# KiCad board mse-50-idc-panel.kicad_pcb
title: Squishy - SCSI LVD/MSE/SE IDC 50 Connector Module; date: 2024-09-17; rev: 1; company: Shrine Maiden Heavy Industries; note: License: CERN-OHL-S; note: © 2024 Aki 'lethalbit' Van Ness, et. al.; note: No warranty expressed or implied; note: Squishy - SCSI Multitool
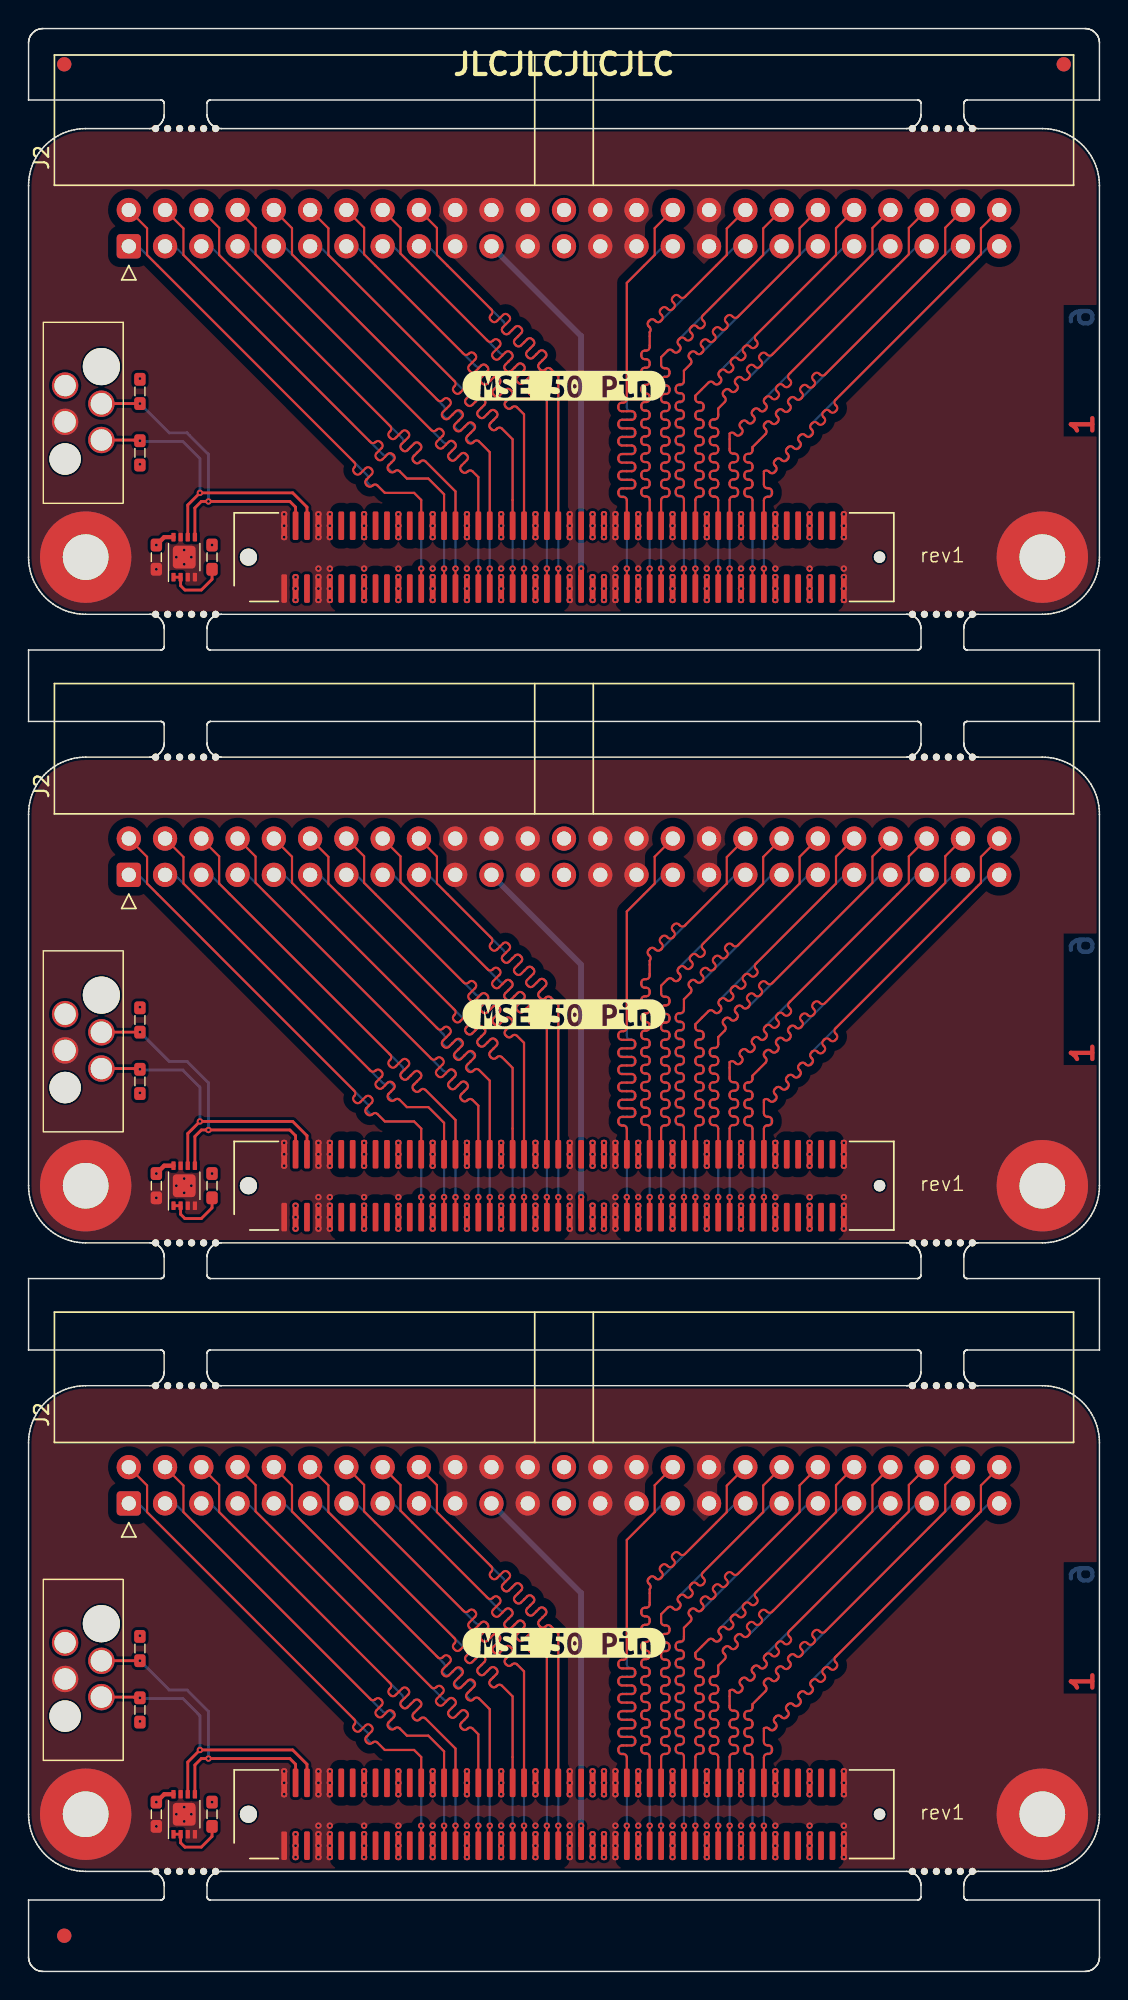
[diagram p0: board, top side]
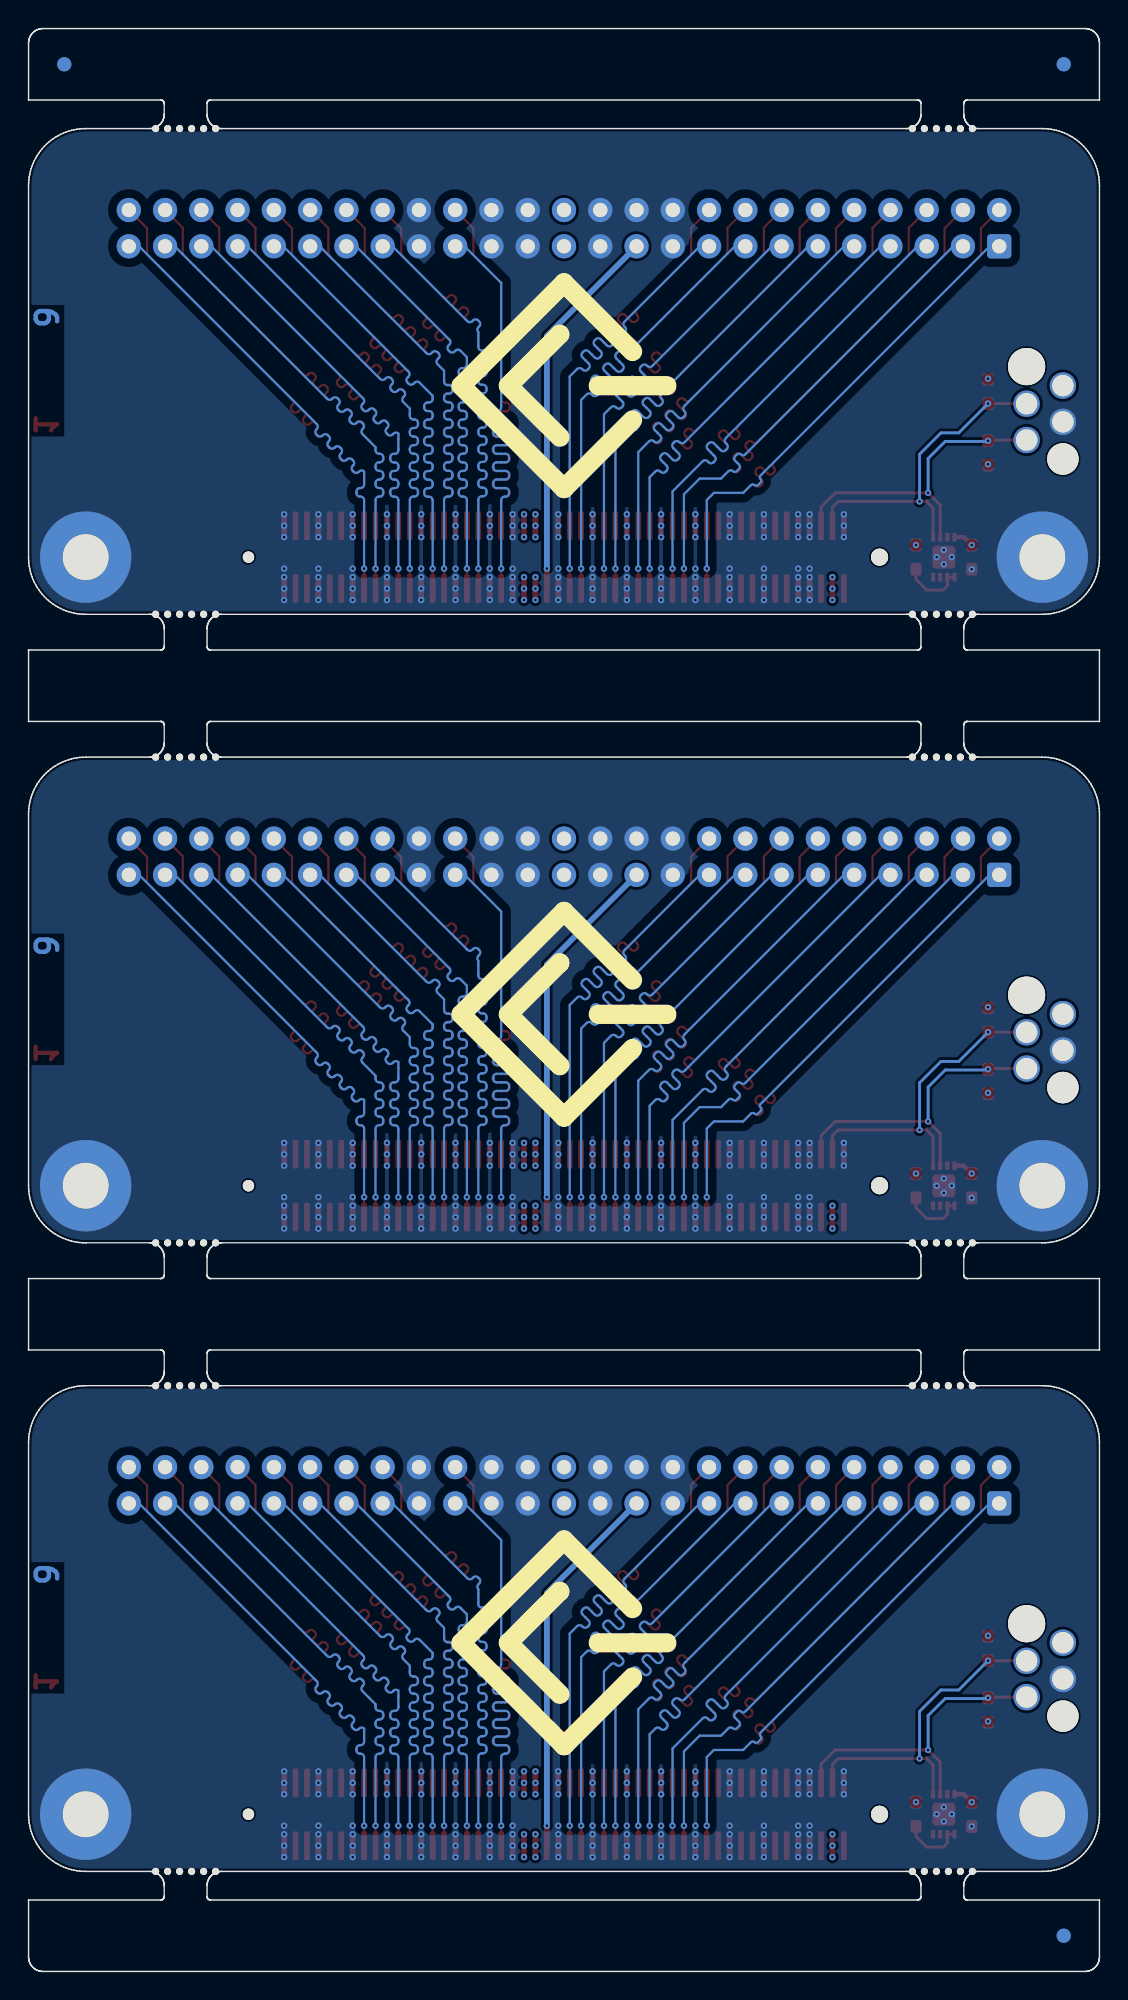
[diagram p1: board, bottom side, seen from below]

Outline 75 x 136 mm; copper layers: Top, In1.Cu, In2.Cu, In3.Cu, In4.Cu, Bottom. Coordinates in mm from the lower left corner of the outline.
Stack: Top 0.035mm / dielectric 0.2104mm FR4 er 4.4 / In1.Cu 0.0152mm / dielectric 0.4mm FR4 er 4.5 / In2.Cu 0.0152mm / dielectric 0.2028mm FR4 er 4.4 / In3.Cu 0.0152mm / dielectric 0.4mm FR4 er 4.6 / In4.Cu 0.0152mm / dielectric 0.2104mm FR4 er 4.4 / Bottom 0.035mm

## Placement (name value [footprint] x y rotation side)
C1  100n  [C0603]  8.95 11 90 top
C1#2  100n  [C0603]  8.95 55 90 top
C1#3  100n  [C0603]  8.95 99 90 top
H3  MountingHole  [MountingHole_3.2mm_M3_Pad]  4 11 0 top
H3#2  MountingHole  [MountingHole_3.2mm_M3_Pad]  4 99 0 top
H3#3  MountingHole  [MountingHole_3.2mm_M3_Pad]  4 55 0 top
H4  MountingHole  [MountingHole_3.2mm_M3_Pad]  71 99 0 top
H4#2  MountingHole  [MountingHole_3.2mm_M3_Pad]  71 11 0 top
H4#3  MountingHole  [MountingHole_3.2mm_M3_Pad]  71 55 0 top
J1  SCSI PHY Mezz  [1014457-10x80xLF]  37.5 11 180 top
J1#2  SCSI PHY Mezz  [1014457-10x80xLF]  37.5 55 180 top
J1#3  SCSI PHY Mezz  [1014457-10x80xLF]  37.5 99 180 top
J2  IDC  [IDC-Header_2x25_P2.54mm_Horizontal]  7.02 32.76 90 top
J2#2  IDC  [IDC-Header_2x25_P2.54mm_Horizontal]  7.02 76.76 90 top
J2#3  IDC  [IDC-Header_2x25_P2.54mm_Horizontal]  7.02 120.76 90 top
J3  Conn_01x04  [490107670412-d]  2.56 67.01 90 top
J3#2  Conn_01x04  [490107670412-d]  2.56 111.01 90 top
J3#3  Conn_01x04  [490107670412-d]  2.56 23.01 90 top
kibuzzard-672C68B6  G***  [kibuzzard-672C68B6]  37.5 111 0 top
kibuzzard-672C68B6#2  G***  [kibuzzard-672C68B6]  37.5 23 0 top
kibuzzard-672C68B6#3  G***  [kibuzzard-672C68B6]  37.5 67 0 top
KiKit_FID_B_1  -  [Fiducial]  2.5 133.5 0 bottom
KiKit_FID_B_2  -  [Fiducial]  72.5 133.5 0 bottom
KiKit_FID_B_3  -  [Fiducial]  2.5 2.5 0 bottom
KiKit_FID_T_1  -  [Fiducial]  2.5 133.5 0 top
KiKit_FID_T_2  -  [Fiducial]  72.5 133.5 0 top
KiKit_FID_T_3  -  [Fiducial]  2.5 2.5 0 top
KiKit_MB_1_1  -  [NPTH]  66.1 95 0 top
KiKit_MB_1_2  -  [NPTH]  65.26 95 0 top
KiKit_MB_1_3  -  [NPTH]  64.42 95 0 top
KiKit_MB_1_4  -  [NPTH]  63.58 95 0 top
KiKit_MB_1_5  -  [NPTH]  62.74 95 0 top
KiKit_MB_1_6  -  [NPTH]  61.9 95 0 top
KiKit_MB_2_1  -  [NPTH]  8.9 129 0 top
KiKit_MB_2_2  -  [NPTH]  9.74 129 0 top
KiKit_MB_2_3  -  [NPTH]  10.58 129 0 top
KiKit_MB_2_4  -  [NPTH]  11.42 129 0 top
KiKit_MB_2_5  -  [NPTH]  12.26 129 0 top
KiKit_MB_2_6  -  [NPTH]  13.1 129 0 top
KiKit_MB_3_1  -  [NPTH]  61.9 129 0 top
KiKit_MB_3_2  -  [NPTH]  62.74 129 0 top
KiKit_MB_3_3  -  [NPTH]  63.58 129 0 top
KiKit_MB_3_4  -  [NPTH]  64.42 129 0 top
KiKit_MB_3_5  -  [NPTH]  65.26 129 0 top
KiKit_MB_3_6  -  [NPTH]  66.1 129 0 top
KiKit_MB_4_1  -  [NPTH]  13.1 95 0 top
KiKit_MB_4_2  -  [NPTH]  12.26 95 0 top
KiKit_MB_4_3  -  [NPTH]  11.42 95 0 top
KiKit_MB_4_4  -  [NPTH]  10.58 95 0 top
KiKit_MB_4_5  -  [NPTH]  9.74 95 0 top
KiKit_MB_4_6  -  [NPTH]  8.9 95 0 top
KiKit_MB_5_1  -  [NPTH]  66.1 51 0 top
KiKit_MB_5_2  -  [NPTH]  65.26 51 0 top
KiKit_MB_5_3  -  [NPTH]  64.42 51 0 top
KiKit_MB_5_4  -  [NPTH]  63.58 51 0 top
KiKit_MB_5_5  -  [NPTH]  62.74 51 0 top
KiKit_MB_5_6  -  [NPTH]  61.9 51 0 top
KiKit_MB_6_1  -  [NPTH]  8.9 85 0 top
KiKit_MB_6_2  -  [NPTH]  9.74 85 0 top
KiKit_MB_6_3  -  [NPTH]  10.58 85 0 top
KiKit_MB_6_4  -  [NPTH]  11.42 85 0 top
KiKit_MB_6_5  -  [NPTH]  12.26 85 0 top
KiKit_MB_6_6  -  [NPTH]  13.1 85 0 top
KiKit_MB_7_1  -  [NPTH]  61.9 85 0 top
KiKit_MB_7_2  -  [NPTH]  62.74 85 0 top
KiKit_MB_7_3  -  [NPTH]  63.58 85 0 top
KiKit_MB_7_4  -  [NPTH]  64.42 85 0 top
KiKit_MB_7_5  -  [NPTH]  65.26 85 0 top
KiKit_MB_7_6  -  [NPTH]  66.1 85 0 top
KiKit_MB_8_1  -  [NPTH]  13.1 51 0 top
KiKit_MB_8_2  -  [NPTH]  12.26 51 0 top
KiKit_MB_8_3  -  [NPTH]  11.42 51 0 top
KiKit_MB_8_4  -  [NPTH]  10.58 51 0 top
KiKit_MB_8_5  -  [NPTH]  9.74 51 0 top
KiKit_MB_8_6  -  [NPTH]  8.9 51 0 top
KiKit_MB_9_1  -  [NPTH]  66.1 7 0 top
KiKit_MB_9_2  -  [NPTH]  65.26 7 0 top
KiKit_MB_9_3  -  [NPTH]  64.42 7 0 top
KiKit_MB_9_4  -  [NPTH]  63.58 7 0 top
KiKit_MB_9_5  -  [NPTH]  62.74 7 0 top
KiKit_MB_9_6  -  [NPTH]  61.9 7 0 top
KiKit_MB_10_1  -  [NPTH]  8.9 41 0 top
KiKit_MB_10_2  -  [NPTH]  9.74 41 0 top
KiKit_MB_10_3  -  [NPTH]  10.58 41 0 top
KiKit_MB_10_4  -  [NPTH]  11.42 41 0 top
KiKit_MB_10_5  -  [NPTH]  12.26 41 0 top
KiKit_MB_10_6  -  [NPTH]  13.1 41 0 top
KiKit_MB_11_1  -  [NPTH]  61.9 41 0 top
KiKit_MB_11_2  -  [NPTH]  62.74 41 0 top
KiKit_MB_11_3  -  [NPTH]  63.58 41 0 top
KiKit_MB_11_4  -  [NPTH]  64.42 41 0 top
KiKit_MB_11_5  -  [NPTH]  65.26 41 0 top
KiKit_MB_11_6  -  [NPTH]  66.1 41 0 top
KiKit_MB_12_1  -  [NPTH]  13.1 7 0 top
KiKit_MB_12_2  -  [NPTH]  12.26 7 0 top
KiKit_MB_12_3  -  [NPTH]  11.42 7 0 top
KiKit_MB_12_4  -  [NPTH]  10.58 7 0 top
KiKit_MB_12_5  -  [NPTH]  9.74 7 0 top
KiKit_MB_12_6  -  [NPTH]  8.9 7 0 top
R1  10k  [R0603]  12.85 55 90 top
R1#2  10k  [R0603]  12.85 11 90 top
R1#3  10k  [R0603]  12.85 99 90 top
R2  4k7  [R0603]  7.8 22.6 270 top
R2#2  4k7  [R0603]  7.8 110.6 270 top
R2#3  4k7  [R0603]  7.8 66.6 270 top
R3  4k7  [R0603]  7.8 106.3 90 top
R3#2  4k7  [R0603]  7.8 62.3 90 top
R3#3  4k7  [R0603]  7.8 18.3 90 top
U1  M24C02-RMC  [ST_UFDFPN-8-1EP_2x3mm_P0.5mm_EP1.6x1.6mm]  10.9 99 90 top
U1#2  M24C02-RMC  [ST_UFDFPN-8-1EP_2x3mm_P0.5mm_EP1.6x1.6mm]  10.9 55 90 top
U1#3  M24C02-RMC  [ST_UFDFPN-8-1EP_2x3mm_P0.5mm_EP1.6x1.6mm]  10.9 11 90 top

## Library data of the parts
C1 C1#2 C1#3 = -: Datasheet: https://content.kemet.com/datasheets/KEM_C1006_X5R_SMD.pdf; MFR: KEMET; MPN: C0603C104M5RACTU; Tolerance: ±20% 50V; SUPPLIER: DigiKey; SUPPLIER_OC: 399-C0603C104M5RAC7867DKR-ND; SUPPLIER_URL: https://www.digikey.com/short/8nqzrr4b
H3 H3#2 H3#3 H4 H4#2 H4#3 = -: MFR: N/A; MPN: N/A
J1 J1#2 J1#3 = -: Datasheet: https://mm.digikey.com/Volume0/opasdata/d220001/medias/docus/6243/609_10144517.pdf; MFR: Amphenol ICC (FCI); MPN: 10144517-102802LF; SUPPLIER: DigiKey; SUPPLIER_OC: 609-5442-1-ND; SUPPLIER_URL: https://www.digikey.com/short/h831vwdf
J2 J2#2 J2#3 = -: Description: Generic connector, double row, 02x25, odd/even pin numbering scheme (row 1 odd numbers, row 2 even numbers), script generated (kicad-library-utils/schlib/autogen/connector/)
J3 J3#2 J3#3 = -: Description: Generic connector, single row, 01x04, script generated (kicad-library-utils/schlib/autogen/connector/)
R1 R1#2 R1#3 = -: Datasheet: https://www.vishay.com/docs/20035/dcrcwe3.pdf; MFR: Vishay Dale; MPN: CRCW060310K0FKEA; Tolerance: ±1% 1/10W; SUPPLIER: DigiKey; SUPPLIER_OC: 541-10.0KHDKR-ND; SUPPLIER_URL: https://www.digikey.com/short/478v2810
R2 R2#2 R2#3 R3 R3#2 R3#3 = -: Datasheet: https://www.vishay.com/docs/20035/dcrcwe3.pdf; MFR: Vishay Dale; MPN: CRCW06034K70FKEA; Tolerance: ±1% 1/10W; SUPPLIER: DigiKey; SUPPLIER_OC: 541-4.70KHDKR-ND; SUPPLIER_URL: https://www.digikey.com/short/f3fq37nd
U1 U1#2 U1#3 = -: Datasheet: https://www.st.com/content/ccc/resource/technical/document/datasheet/b0/d8/50/40/5a/85/49/6f/DM00071904.pdf/files/DM00071904.pdf/jcr:content/translations/en.DM00071904.pdf; Description: 2Kb (256x8) I2C Serial EEPROM, 1.8-5.5V,  UFDFPN8

## Footprints (pads in the part's own frame, mm; a bottom-side part is the same pattern mirrored in y, then rotated)
1014457-10x80xLF
  round 0.8 hole 0.8 unplated: (-22.1,0)
  round 1.2 hole 1.2 unplated: (22.1,0)
  rrect 0.4x2 smd: 1(19.6,2.2) 2(19.6,-2.2) 3(18.8,2.2) 4(18.8,-2.2) 5(18,2.2) 6(18,-2.2) 7(17.2,2.2) 8(17.2,-2.2) 9(16.4,2.2) 10(16.4,-2.2) 11(15.6,2.2) 12(15.6,-2.2) 13(14.8,2.2) 14(14.8,-2.2) 15(14,2.2) 16(14,-2.2) 17(13.2,2.2) 18(13.2,-2.2) 19(12.4,2.2) 20(12.4,-2.2) 21(11.6,2.2) 22(11.6,-2.2) 23(10.8,2.2) 24(10.8,-2.2) 25(10,2.2) 26(10,-2.2) 27(9.2,2.2) 28(9.2,-2.2) 29(8.4,2.2) 30(8.4,-2.2) 31(7.6,2.2) 32(7.6,-2.2) 33(6.8,2.2) 34(6.8,-2.2) 35(6,2.2) 36(6,-2.2) 37(5.2,2.2) 38(5.2,-2.2) 39(4.4,2.2) 40(4.4,-2.2) 41(3.6,2.2) 42(3.6,-2.2) 43(2.8,2.2) 44(2.8,-2.2) 45(2,2.2) 46(2,-2.2) 47(1.2,2.2) 48(1.2,-2.2) 49(0.4,2.2) 50(0.4,-2.2) 51(-0.4,2.2) 52(-0.4,-2.2) 53(-1.2,2.2) 54(-1.2,-2.2) 55(-2,2.2) 56(-2,-2.2) 57(-2.8,2.2) 58(-2.8,-2.2) 59(-3.6,2.2) 60(-3.6,-2.2) 61(-4.4,2.2) 62(-4.4,-2.2) 63(-5.2,2.2) 64(-5.2,-2.2) 65(-6,2.2) 66(-6,-2.2) 67(-6.8,2.2) 68(-6.8,-2.2) 69(-7.6,2.2) 70(-7.6,-2.2) 71(-8.4,2.2) 72(-8.4,-2.2) 73(-9.2,2.2) 74(-9.2,-2.2) 75(-10,2.2) 76(-10,-2.2) 77(-10.8,2.2) 78(-10.8,-2.2) 79(-11.6,2.2) 80(-11.6,-2.2) 81(-12.4,2.2) 82(-12.4,-2.2) 83(-13.2,2.2) 84(-13.2,-2.2) 85(-14,2.2) 86(-14,-2.2) 87(-14.8,2.2) 88(-14.8,-2.2) 89(-15.6,2.2) 90(-15.6,-2.2) 91(-16.4,2.2) 92(-16.4,-2.2) 93(-17.2,2.2) 94(-17.2,-2.2) 95(-18,2.2) 96(-18,-2.2) 97(-18.8,2.2) 98(-18.8,-2.2) 99(-19.6,2.2) 100(-19.6,-2.2)
490107670412-d
  round 2.2 hole 2.2 unplated: (-5.14,0)
  round 2.6 hole 2.6 unplated: (1.33,-2.54)
  round 1.85 hole 1.5: 1(0,0) 2(-1.27,-2.54) 3(-2.54,0) 4(-3.81,-2.54)
C0603
  rrect 0.9x0.8 smd: 1(-0.85,0) 2(0.85,0)
Fiducial
  round 1 smd: (0,0)
IDC-Header_2x25_P2.54mm_Horizontal
  rrect 1.7x1.7 hole 1: 1(0,0)
  round 1.7 hole 1: 2(2.54,0) 3(0,-2.54) 4(2.54,-2.54) 5(0,-5.08) 6(2.54,-5.08) 7(0,-7.62) 8(2.54,-7.62) 9(0,-10.16) 10(2.54,-10.16) 11(0,-12.7) 12(2.54,-12.7) 13(0,-15.24) 14(2.54,-15.24) 15(0,-17.78) 16(2.54,-17.78) 17(0,-20.32) 18(2.54,-20.32) 19(0,-22.86) 20(2.54,-22.86) 21(0,-25.4) 22(2.54,-25.4) 23(0,-27.94) 24(2.54,-27.94) 25(0,-30.48) 26(2.54,-30.48) 27(0,-33.02) 28(2.54,-33.02) 29(0,-35.56) 30(2.54,-35.56) 31(0,-38.1) 32(2.54,-38.1) 33(0,-40.64) 34(2.54,-40.64) 35(0,-43.18) 36(2.54,-43.18) 37(0,-45.72) 38(2.54,-45.72) 39(0,-48.26) 40(2.54,-48.26) 41(0,-50.8) 42(2.54,-50.8) 43(0,-53.34) 44(2.54,-53.34) 45(0,-55.88) 46(2.54,-55.88) 47(0,-58.42) 48(2.54,-58.42) 49(0,-60.96) 50(2.54,-60.96)
MountingHole_3.2mm_M3_Pad
  round 6.4 hole 3.2: 1(0,0)
NPTH
  round 0.5 hole 0.5 unplated: (0,0)
R0603
  rrect 0.9x0.8 smd: 1(-0.85,0) 2(0.85,0)
ST_UFDFPN-8-1EP_2x3mm_P0.5mm_EP1.6x1.6mm
  rrect 0.5x0.5 smd: (-0.45,0.45) (-0.45,-0.45) (0,0) (0.45,0.45) (0.45,-0.45)
  rrect 0.6x0.3 smd: 1(-1.4,0.75) 2(-1.4,0.25) 3(-1.4,-0.25) 4(-1.4,-0.75) 5(1.4,-0.75) 6(1.4,-0.25) 7(1.4,0.25) 8(1.4,0.75)
  rrect 1.6x1.6 smd: EP(0,0)

## Nets
Board_0-+3V3: C1#3.2 J1#3.3 J3#2.1 R1#3.2 R2#2.1 R3.1 U1.8
Board_0-/CON.ACK+: J1#3.67 J2#3.37
Board_0-/CON.ACK-: J1#3.68 J2#3.38
Board_0-/CON.ATN+: J1#3.61 J2#3.31
Board_0-/CON.ATN-: J1#3.62 J2#3.32
Board_0-/CON.BSY+: J1#3.65 J2#3.35
Board_0-/CON.BSY-: J1#3.66 J2#3.36
Board_0-/CON.C/D+: J1#3.79 J2#3.45
Board_0-/CON.C/D-: J1#3.80 J2#3.46
Board_0-/CON.DB0+: J1#3.25 J2#3.1
Board_0-/CON.DB0-: J1#3.26 J2#3.2
Board_0-/CON.DB1+: J1#3.29 J2#3.3
Board_0-/CON.DB1-: J1#3.30 J2#3.4
Board_0-/CON.DB2+: J1#3.31 J2#3.5
Board_0-/CON.DB2-: J1#3.32 J2#3.6
Board_0-/CON.DB3+: J1#3.35 J2#3.7
Board_0-/CON.DB3-: J1#3.36 J2#3.8
Board_0-/CON.DB4+: J1#3.37 J2#3.9
Board_0-/CON.DB4-: J1#3.38 J2#3.10
Board_0-/CON.DB5+: J1#3.41 J2#3.11
Board_0-/CON.DB5-: J1#3.42 J2#3.12
Board_0-/CON.DB6+: J1#3.43 J2#3.13
Board_0-/CON.DB6-: J1#3.44 J2#3.14
Board_0-/CON.DB7+: J1#3.47 J2#3.15
Board_0-/CON.DB7-: J1#3.48 J2#3.16
Board_0-/CON.DB8+: J1#3.89
Board_0-/CON.DB8-: J1#3.90
Board_0-/CON.DB9+: J1#3.91
Board_0-/CON.DB9-: J1#3.92
Board_0-/CON.DB10+: J1#3.95
Board_0-/CON.DB10-: J1#3.96
Board_0-/CON.DB11+: J1#3.97
Board_0-/CON.DB11-: J1#3.98
Board_0-/CON.DB12+: J1#3.11
Board_0-/CON.DB12-: J1#3.12
Board_0-/CON.DB13+: J1#3.13
Board_0-/CON.DB13-: J1#3.14
Board_0-/CON.DB14+: J1#3.17
Board_0-/CON.DB14-: J1#3.18
Board_0-/CON.DB15+: J1#3.19
Board_0-/CON.DB15-: J1#3.20
Board_0-/CON.DIFFSENSE: J1#3.53 J2#3.21
Board_0-/CON.DP0+: J1#3.49 J2#3.17
Board_0-/CON.DP0-: J1#3.50 J2#3.18
Board_0-/CON.DP1+: J1#3.23
Board_0-/CON.DP1-: J1#3.24
Board_0-/CON.I/O+: J1#3.85 J2#3.49
Board_0-/CON.I/O-: J1#3.86 J2#3.50
Board_0-/CON.MSG+: J1#3.73 J2#3.41
Board_0-/CON.MSG-: J1#3.74 J2#3.42
Board_0-/CON.REQ+: J1#3.83 J2#3.47
Board_0-/CON.REQ-: J1#3.84 J2#3.48
Board_0-/CON.RST+: J1#3.71 J2#3.39
Board_0-/CON.RST-: J1#3.72 J2#3.40
Board_0-/CON.SEL+: J1#3.77 J2#3.43
Board_0-/CON.SEL-: J1#3.78 J2#3.44
Board_0-/CON.TERMPWR: J1#3.55 J1#3.56 J1#3.57 J1#3.58 J2#3.26
Board_0-/PHY.ID_SCL: J1#3.6 J3#2.4 R3.2 U1.6
Board_0-/PHY.ID_SDA: J1#3.4 J3#2.2 R2#2.2 U1.5
Board_0-GND: C1#3.1 H3#2.1 H4.1 J1#3.1 J1#3.2 J1#3.7 J1#3.8 J1#3.9 J1#3.10 J1#3.15 J1#3.16 J1#3.21 J1#3.22 J1#3.27 J1#3.28 J1#3.33 J1#3.34 J1#3.39 J1#3.40 J1#3.45 J1#3.46 J1#3.51 J1#3.52 J1#3.59 J1#3.60 J1#3.63 J1#3.64 J1#3.69 J1#3.70 J1#3.75 J1#3.76 J1#3.81 J1#3.82 J1#3.87 J1#3.88 J1#3.93 J1#3.94 J1#3.99 J1#3.100 J2#3.19 J2#3.20 J2#3.22 J2#3.23 J2#3.24 J2#3.27 J2#3.28 J2#3.29 J2#3.30 J2#3.33 J2#3.34 J3#2.3 U1.3 U1.4 U1.7 U1.EP
Board_0-Net-(U1-E0): R1#3.1 U1.1 U1.2
Board_0-unconnected-(J1-Pin_5-Pad5): J1#3.5
Board_0-unconnected-(J1-Pin_54-Pad54): J1#3.54
Board_0-unconnected-(J2-Pin_25-Pad25): J2#3.25
Board_1-+3V3: C1#2.2 J1#2.3 J3.1 R1.2 R2#3.1 R3#2.1 U1#2.8
Board_1-/CON.ACK+: J1#2.67 J2#2.37
Board_1-/CON.ACK-: J1#2.68 J2#2.38
Board_1-/CON.ATN+: J1#2.61 J2#2.31
Board_1-/CON.ATN-: J1#2.62 J2#2.32
Board_1-/CON.BSY+: J1#2.65 J2#2.35
Board_1-/CON.BSY-: J1#2.66 J2#2.36
Board_1-/CON.C/D+: J1#2.79 J2#2.45
Board_1-/CON.C/D-: J1#2.80 J2#2.46
Board_1-/CON.DB0+: J1#2.25 J2#2.1
Board_1-/CON.DB0-: J1#2.26 J2#2.2
Board_1-/CON.DB1+: J1#2.29 J2#2.3
Board_1-/CON.DB1-: J1#2.30 J2#2.4
Board_1-/CON.DB2+: J1#2.31 J2#2.5
Board_1-/CON.DB2-: J1#2.32 J2#2.6
Board_1-/CON.DB3+: J1#2.35 J2#2.7
Board_1-/CON.DB3-: J1#2.36 J2#2.8
Board_1-/CON.DB4+: J1#2.37 J2#2.9
Board_1-/CON.DB4-: J1#2.38 J2#2.10
Board_1-/CON.DB5+: J1#2.41 J2#2.11
Board_1-/CON.DB5-: J1#2.42 J2#2.12
Board_1-/CON.DB6+: J1#2.43 J2#2.13
Board_1-/CON.DB6-: J1#2.44 J2#2.14
Board_1-/CON.DB7+: J1#2.47 J2#2.15
Board_1-/CON.DB7-: J1#2.48 J2#2.16
Board_1-/CON.DB8+: J1#2.89
Board_1-/CON.DB8-: J1#2.90
Board_1-/CON.DB9+: J1#2.91
Board_1-/CON.DB9-: J1#2.92
Board_1-/CON.DB10+: J1#2.95
Board_1-/CON.DB10-: J1#2.96
Board_1-/CON.DB11+: J1#2.97
Board_1-/CON.DB11-: J1#2.98
Board_1-/CON.DB12+: J1#2.11
Board_1-/CON.DB12-: J1#2.12
Board_1-/CON.DB13+: J1#2.13
Board_1-/CON.DB13-: J1#2.14
Board_1-/CON.DB14+: J1#2.17
Board_1-/CON.DB14-: J1#2.18
Board_1-/CON.DB15+: J1#2.19
Board_1-/CON.DB15-: J1#2.20
Board_1-/CON.DIFFSENSE: J1#2.53 J2#2.21
Board_1-/CON.DP0+: J1#2.49 J2#2.17
Board_1-/CON.DP0-: J1#2.50 J2#2.18
Board_1-/CON.DP1+: J1#2.23
Board_1-/CON.DP1-: J1#2.24
Board_1-/CON.I/O+: J1#2.85 J2#2.49
Board_1-/CON.I/O-: J1#2.86 J2#2.50
Board_1-/CON.MSG+: J1#2.73 J2#2.41
Board_1-/CON.MSG-: J1#2.74 J2#2.42
Board_1-/CON.REQ+: J1#2.83 J2#2.47
Board_1-/CON.REQ-: J1#2.84 J2#2.48
Board_1-/CON.RST+: J1#2.71 J2#2.39
Board_1-/CON.RST-: J1#2.72 J2#2.40
Board_1-/CON.SEL+: J1#2.77 J2#2.43
Board_1-/CON.SEL-: J1#2.78 J2#2.44
Board_1-/CON.TERMPWR: J1#2.55 J1#2.56 J1#2.57 J1#2.58 J2#2.26
Board_1-/PHY.ID_SCL: J1#2.6 J3.4 R3#2.2 U1#2.6
Board_1-/PHY.ID_SDA: J1#2.4 J3.2 R2#3.2 U1#2.5
Board_1-GND: C1#2.1 H3#3.1 H4#3.1 J1#2.1 J1#2.2 J1#2.7 J1#2.8 J1#2.9 J1#2.10 J1#2.15 J1#2.16 J1#2.21 J1#2.22 J1#2.27 J1#2.28 J1#2.33 J1#2.34 J1#2.39 J1#2.40 J1#2.45 J1#2.46 J1#2.51 J1#2.52 J1#2.59 J1#2.60 J1#2.63 J1#2.64 J1#2.69 J1#2.70 J1#2.75 J1#2.76 J1#2.81 J1#2.82 J1#2.87 J1#2.88 J1#2.93 J1#2.94 J1#2.99 J1#2.100 J2#2.19 J2#2.20 J2#2.22 J2#2.23 J2#2.24 J2#2.27 J2#2.28 J2#2.29 J2#2.30 J2#2.33 J2#2.34 J3.3 U1#2.3 U1#2.4 U1#2.7 U1#2.EP
Board_1-Net-(U1-E0): R1.1 U1#2.1 U1#2.2
Board_1-unconnected-(J1-Pin_5-Pad5): J1#2.5
Board_1-unconnected-(J1-Pin_54-Pad54): J1#2.54
Board_1-unconnected-(J2-Pin_25-Pad25): J2#2.25
Board_2-+3V3: C1.2 J1.3 J3#3.1 R1#2.2 R2.1 R3#3.1 U1#3.8
Board_2-/CON.ACK+: J1.67 J2.37
Board_2-/CON.ACK-: J1.68 J2.38
Board_2-/CON.ATN+: J1.61 J2.31
Board_2-/CON.ATN-: J1.62 J2.32
Board_2-/CON.BSY+: J1.65 J2.35
Board_2-/CON.BSY-: J1.66 J2.36
Board_2-/CON.C/D+: J1.79 J2.45
Board_2-/CON.C/D-: J1.80 J2.46
Board_2-/CON.DB0+: J1.25 J2.1
Board_2-/CON.DB0-: J1.26 J2.2
Board_2-/CON.DB1+: J1.29 J2.3
Board_2-/CON.DB1-: J1.30 J2.4
Board_2-/CON.DB2+: J1.31 J2.5
Board_2-/CON.DB2-: J1.32 J2.6
Board_2-/CON.DB3+: J1.35 J2.7
Board_2-/CON.DB3-: J1.36 J2.8
Board_2-/CON.DB4+: J1.37 J2.9
Board_2-/CON.DB4-: J1.38 J2.10
Board_2-/CON.DB5+: J1.41 J2.11
Board_2-/CON.DB5-: J1.42 J2.12
Board_2-/CON.DB6+: J1.43 J2.13
Board_2-/CON.DB6-: J1.44 J2.14
Board_2-/CON.DB7+: J1.47 J2.15
Board_2-/CON.DB7-: J1.48 J2.16
Board_2-/CON.DB8+: J1.89
Board_2-/CON.DB8-: J1.90
Board_2-/CON.DB9+: J1.91
Board_2-/CON.DB9-: J1.92
Board_2-/CON.DB10+: J1.95
Board_2-/CON.DB10-: J1.96
Board_2-/CON.DB11+: J1.97
Board_2-/CON.DB11-: J1.98
Board_2-/CON.DB12+: J1.11
Board_2-/CON.DB12-: J1.12
Board_2-/CON.DB13+: J1.13
Board_2-/CON.DB13-: J1.14
Board_2-/CON.DB14+: J1.17
Board_2-/CON.DB14-: J1.18
Board_2-/CON.DB15+: J1.19
Board_2-/CON.DB15-: J1.20
Board_2-/CON.DIFFSENSE: J1.53 J2.21
Board_2-/CON.DP0+: J1.49 J2.17
Board_2-/CON.DP0-: J1.50 J2.18
Board_2-/CON.DP1+: J1.23
Board_2-/CON.DP1-: J1.24
Board_2-/CON.I/O+: J1.85 J2.49
Board_2-/CON.I/O-: J1.86 J2.50
Board_2-/CON.MSG+: J1.73 J2.41
Board_2-/CON.MSG-: J1.74 J2.42
Board_2-/CON.REQ+: J1.83 J2.47
Board_2-/CON.REQ-: J1.84 J2.48
Board_2-/CON.RST+: J1.71 J2.39
Board_2-/CON.RST-: J1.72 J2.40
Board_2-/CON.SEL+: J1.77 J2.43
Board_2-/CON.SEL-: J1.78 J2.44
Board_2-/CON.TERMPWR: J1.55 J1.56 J1.57 J1.58 J2.26
Board_2-/PHY.ID_SCL: J1.6 J3#3.4 R3#3.2 U1#3.6
Board_2-/PHY.ID_SDA: J1.4 J3#3.2 R2.2 U1#3.5
Board_2-GND: C1.1 H3.1 H4#2.1 J1.1 J1.2 J1.7 J1.8 J1.9 J1.10 J1.15 J1.16 J1.21 J1.22 J1.27 J1.28 J1.33 J1.34 J1.39 J1.40 J1.45 J1.46 J1.51 J1.52 J1.59 J1.60 J1.63 J1.64 J1.69 J1.70 J1.75 J1.76 J1.81 J1.82 J1.87 J1.88 J1.93 J1.94 J1.99 J1.100 J2.19 J2.20 J2.22 J2.23 J2.24 J2.27 J2.28 J2.29 J2.30 J2.33 J2.34 J3#3.3 U1#3.3 U1#3.4 U1#3.7 U1#3.EP
Board_2-Net-(U1-E0): R1#2.1 U1#3.1 U1#3.2
Board_2-unconnected-(J1-Pin_5-Pad5): J1.5
Board_2-unconnected-(J1-Pin_54-Pad54): J1.54
Board_2-unconnected-(J2-Pin_25-Pad25): J2.25

## Via types
v1: diameter 0.45, hole 0.2, Top to Bottom, 507 vias

## Routing (per net, layer and track width the routed paths; a pad name or vN(x,y) marks a point on that pad's centre or on a via; arc(x,y) is an arc through that point)
Board_0-+3V3: length 1.4
  Top w0.3: v1(8.95,99.85) 9.5,100.4 U1.8
  vias: v1(7.8,111.5) v1(7.8,105.5) v1(12.85,99.85) v1(18.7,97.6) v1(18.7,96.8) v1(18.7,96)
Board_0-/CON.ACK+: length 34.4
  Top w0.151: J1#3.67 v1(44.3,98.2)
  Bottom w0.151: v1(44.3,98.2) 44.3,103 arc(44.37,103.17) 44.54,103.24 44.63,103.24 arc(44.8,103.31) 44.87,103.48 44.87,103.6 arc(44.8,103.77) 44.63,103.84 44.54,103.84 arc(44.37,103.91) 44.3,104.08 44.3,104.2 arc(44.37,104.37) 44.54,104.44 44.63,104.44 arc(44.8,104.51) 44.87,104.68 44.87,104.8 arc(44.8,104.97) 44.63,105.04 44.54,105.04 arc(44.37,105.11) 44.3,105.28 44.3,105.4 arc(44.37,105.57) 44.54,105.64 44.63,105.64 arc(44.8,105.71) 44.87,105.88 44.87,106 arc(44.8,106.17) 44.63,106.24 44.54,106.24 arc(44.37,106.31) 44.3,106.48 44.3,106.6 arc(44.37,106.77) 44.54,106.84 44.63,106.84 arc(44.8,106.91) 44.87,107.08 44.87,107.2 arc(44.8,107.37) 44.63,107.44 44.54,107.44 arc(44.37,107.51) 44.3,107.68 44.3,107.8 arc(44.37,107.97) 44.54,108.04 44.63,108.04 arc(44.8,108.11) 44.87,108.28 44.87,108.4 arc(44.8,108.57) 44.63,108.64 44.54,108.64 arc(44.37,108.71) 44.3,108.88 44.3,109 arc(44.37,109.17) 44.54,109.24 44.63,109.24 arc(44.8,109.31) 44.87,109.48 44.87,109.6 arc(44.8,109.77) 44.63,109.84 44.54,109.84 arc(44.37,109.91) 44.3,110.08 44.3,110.2 arc(44.37,110.37) 44.54,110.44 44.63,110.44 arc(44.8,110.51) 44.87,110.68 44.87,110.8 arc(44.8,110.97) 44.63,111.04 44.54,111.04 arc(44.37,111.11) 44.3,111.28 44.3,111.4 arc(44.37,111.57) 44.54,111.64 44.63,111.64 arc(44.8,111.71) 44.87,111.88 44.87,112 arc(44.8,112.17) 44.63,112.24 44.54,112.24 arc(44.37,112.31) 44.3,112.48 44.3,113 44.76,113.46 arc(44.93,113.53) 45.1,113.46 45.16,113.4 arc(45.33,113.33) 45.5,113.4 45.59,113.48 arc(45.66,113.65) 45.59,113.82 45.52,113.89 arc(45.45,114.06) 45.52,114.23 45.61,114.31 52.06,120.76 J2#3.37
Board_0-/CON.ACK-: length 34
  Top w0.151: J2#3.38 51.45,122.01 51.45,120.15 47.31,116.01 47.22,115.92 arc(47.15,115.75) 47.22,115.58 47.3,115.51 arc(47.37,115.34) 47.3,115.17 47.21,115.08 arc(47.04,115.01) 46.87,115.08 46.8,115.16 arc(46.63,115.23) 46.46,115.16 46.37,115.07 arc(46.3,114.9) 46.37,114.73 46.45,114.66 arc(46.52,114.49) 46.45,114.32 46.36,114.23 arc(46.19,114.16) 46.03,114.23 45.95,114.31 arc(45.78,114.38) 45.61,114.31 45.52,114.23 arc(45.45,114.06) 45.52,113.89 45.6,113.81 arc(45.67,113.64) 45.6,113.47 45.52,113.38 arc(45.35,113.31) 45.18,113.38 45.1,113.46 arc(44.93,113.53) 44.76,113.46 44.3,113 44.3,112.46 arc(44.37,112.29) 44.54,112.22 44.65,112.22 arc(44.82,112.15) 44.89,111.98 44.89,111.86 arc(44.82,111.69) 44.65,111.62 44.54,111.62 arc(44.37,111.55) 44.3,111.38 44.3,111.26 arc(44.37,111.09) 44.54,111.02 44.65,111.02 arc(44.82,110.95) 44.89,110.78 44.89,110.66 arc(44.82,110.49) 44.65,110.42 44.54,110.42 arc(44.37,110.35) 44.3,110.18 44.3,110.06 arc(44.37,109.89) 44.54,109.82 44.65,109.82 arc(44.82,109.75) 44.89,109.58 44.89,109.46 arc(44.82,109.29) 44.65,109.22 44.54,109.22 arc(44.37,109.15) 44.3,108.98 44.3,108.86 arc(44.37,108.69) 44.54,108.62 44.65,108.62 arc(44.82,108.55) 44.89,108.38 44.89,108.26 arc(44.82,108.09) 44.65,108.02 44.54,108.02 arc(44.37,107.95) 44.3,107.78 44.3,107.66 arc(44.37,107.49) 44.54,107.42 44.65,107.42 arc(44.82,107.35) 44.89,107.18 44.89,107.06 arc(44.82,106.89) 44.65,106.82 44.54,106.82 arc(44.37,106.75) 44.3,106.58 44.3,106.46 arc(44.37,106.29) 44.54,106.22 44.65,106.22 arc(44.82,106.15) 44.89,105.98 44.89,105.86 arc(44.82,105.69) 44.65,105.62 44.54,105.62 arc(44.37,105.55) 44.3,105.38 44.3,105.26 arc(44.37,105.09) 44.54,105.02 44.65,105.02 arc(44.82,104.95) 44.89,104.78 44.89,104.66 arc(44.82,104.49) 44.65,104.42 44.54,104.42 arc(44.37,104.35) 44.3,104.18 44.3,104.06 arc(44.37,103.89) 44.54,103.82 44.65,103.82 arc(44.82,103.75) 44.89,103.58 44.89,103.46 arc(44.82,103.29) 44.65,103.22 44.54,103.22 arc(44.37,103.15) 44.3,102.98 J1#3.68